# Altium PCB pcbfinal.PcbDoc
Units mm, origin at the board's own origin, x right, y up, seen from the top; angles counter-clockwise.
Board outline 228.35 x 168.78 mm, 2 copper layers (Top Layer, Bottom Layer); 108 components, 105 nets, 433 pads, 20 vias.
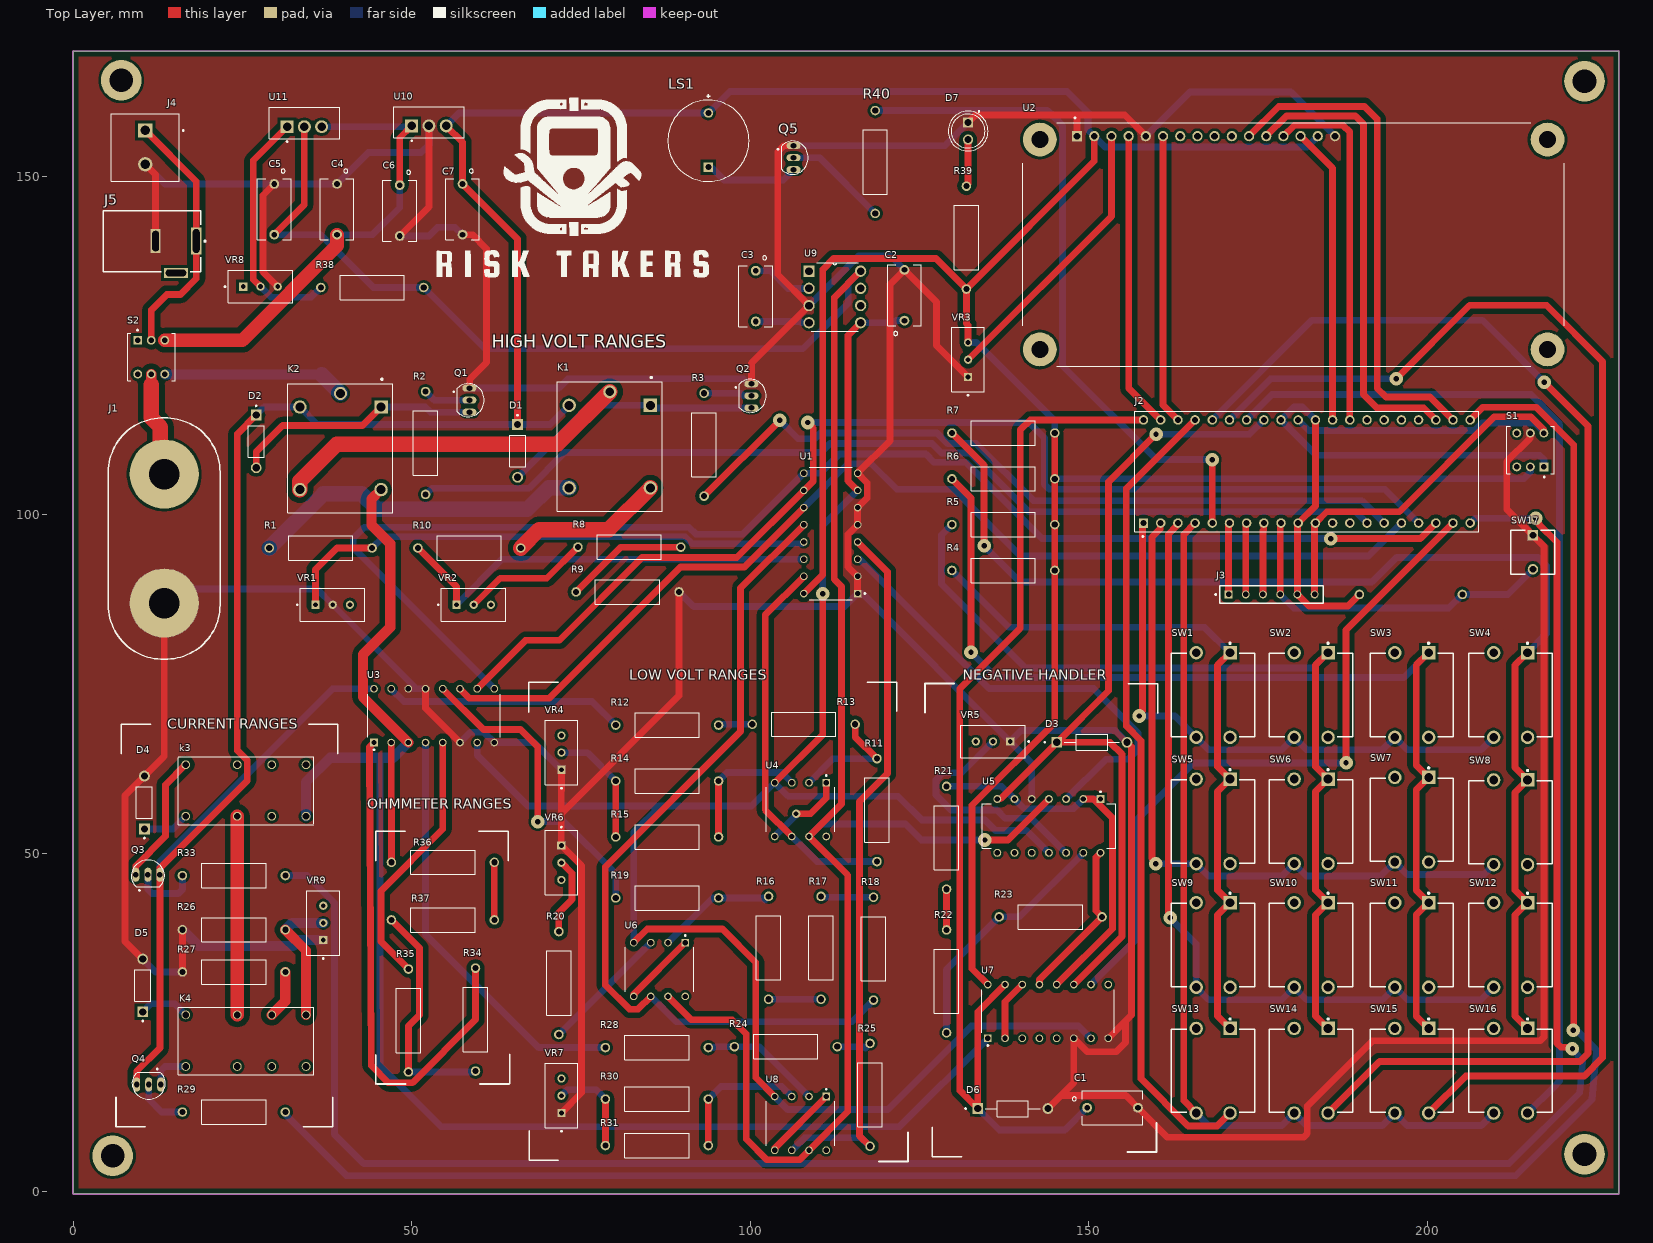
[diagram p0: Top Layer view]
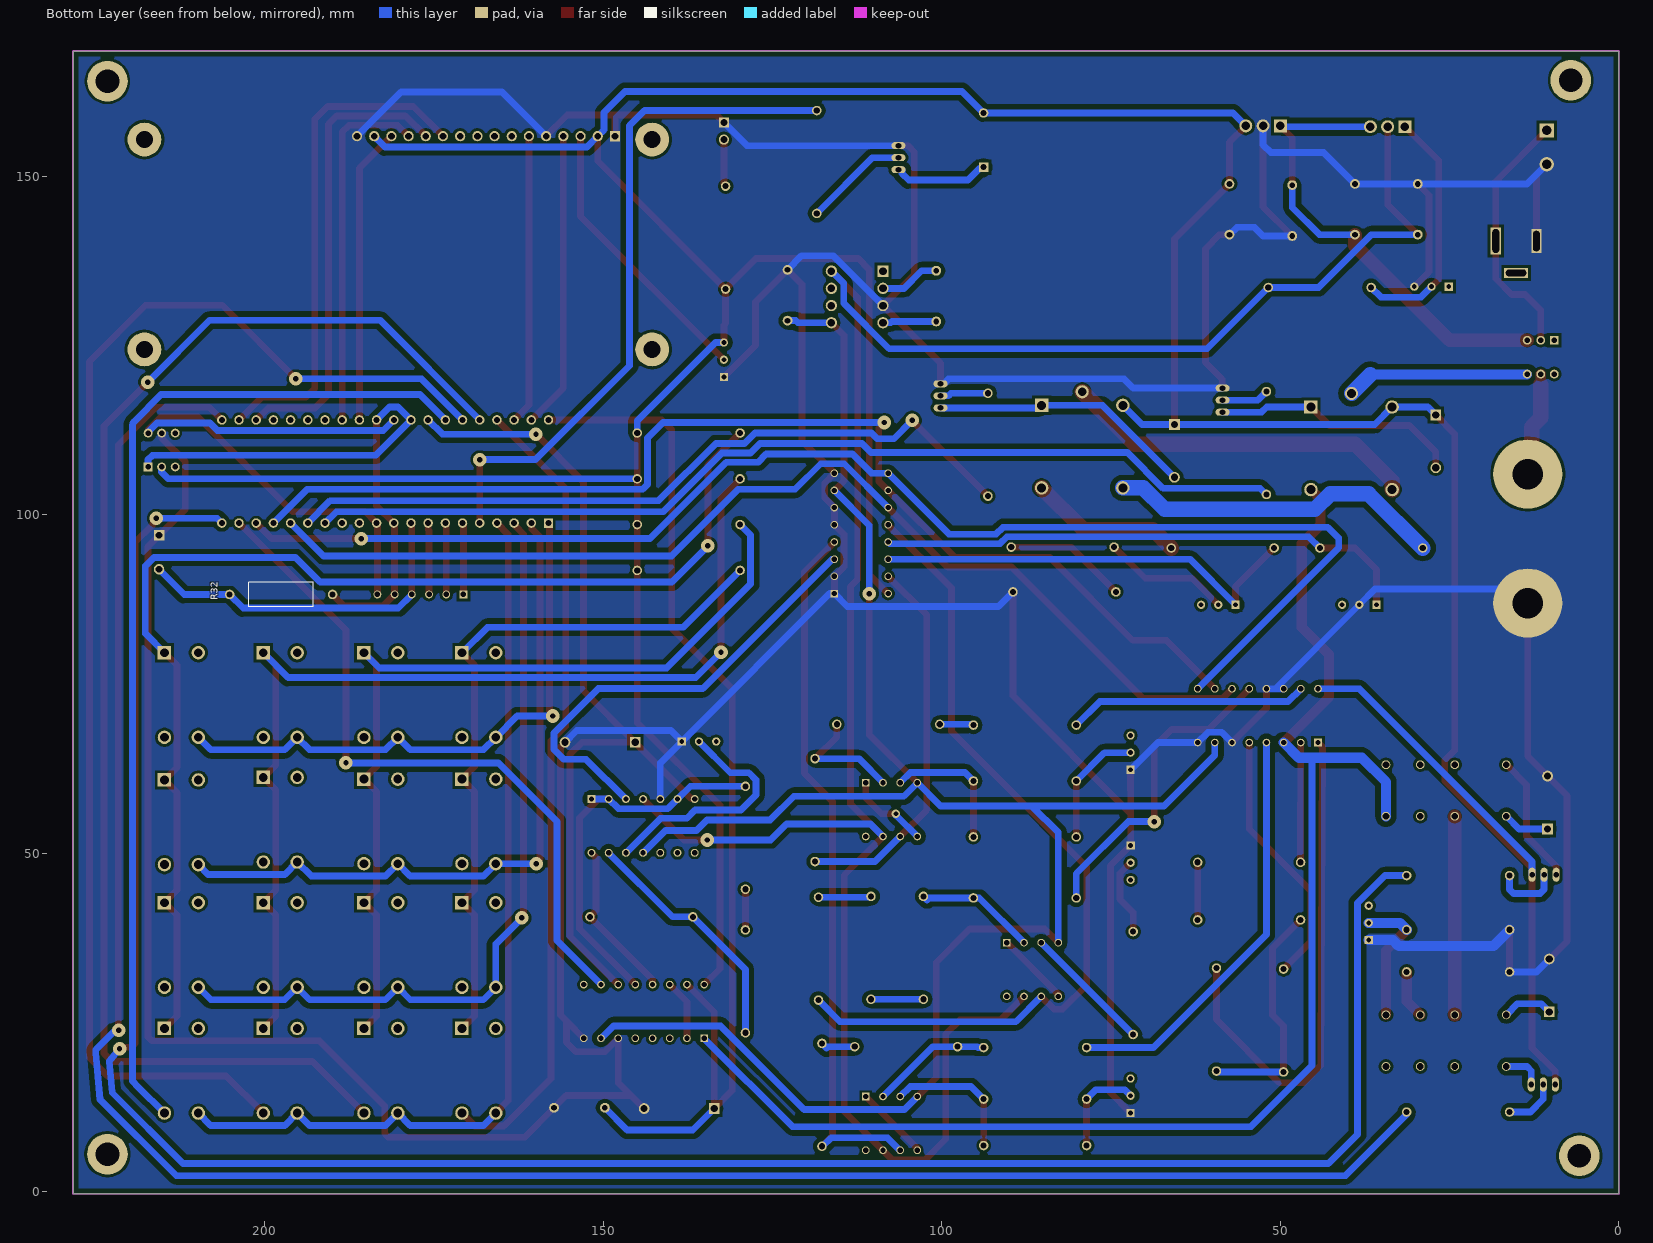
[diagram p1: Bottom Layer view, seen from below]
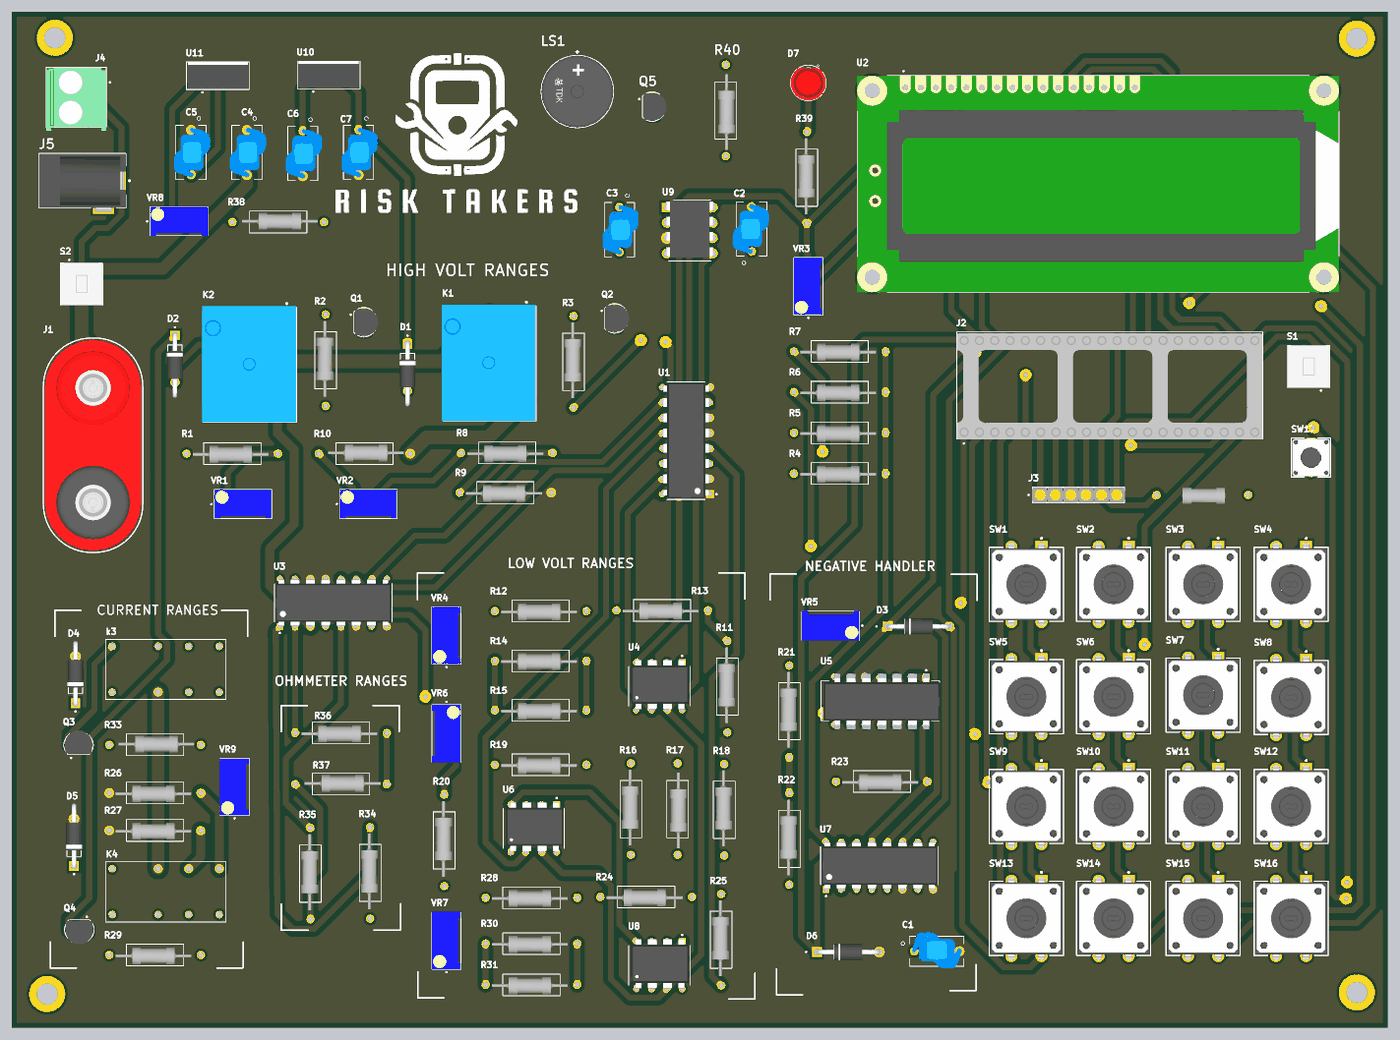
[diagram p2: 3D render of the assembled board from above, using the file's embedded part models]

## Layer stack, top to bottom
Top Solder: solder mask 0.0102, Solder Resist, Dk 3.5
Top Layer: signal copper 0.0356
Dielectric 1: dielectric 0.32, FR-4, Dk 4.8
Bottom Layer: signal copper 0.0356
Bottom Solder: solder mask 0.0102, Solder Resist, Dk 3.5

## Board outline
0,-0.254 228.346,-0.254 228.346,168.529 0,168.529

## Design rules (kind name [scope] priority, off if disabled: settings)
Clearance [All] p1: gap=0.4 ignorepadtopadclearanceinfootprint=FALSE except(0.2: Arc-THPad Track-THPad; 0.8: Arc-Fill Arc-Poly Arc-Region Track-Fill Track-Poly Track-Region)
HoleSize [All] p1: absolutevalues=TRUE maxlimit=5 minlimit=0.025 maxpercent=80.000 minpercent=20.000
MinimumSolderMaskSliver [All] p1: minsoldermaskwidth=0.1
PolygonConnect [All] p1: thpad.connectstyle=Direct thpad.reliefconductorwidth=0.254 thpad.reliefentries=4 thpad.polygonreliefangle="90 Angle" thpad.airgapwidth=0.254 smdpad.connectstyle=Relief smdpad.reliefconductorwidth=0.254 smdpad.reliefentries=4 smdpad.polygonreliefangle="45 Angle" smdpad.airgapwidth=0.254 via.connectstyle=Direct via.reliefconductorwidth=0.254 via.reliefentries=4 via.polygonreliefangle="90 Angle" via.airgapwidth=0.254
RoutingVias [All] p1: holewidth=0.8 width=2 viastyle="Through Hole" minholewidth=0.6 minwidth=1.4 maxholewidth=1.27 maxwidth=3.81
SilkToSolderMaskClearance [IsPad] p1: minsilkscreentomaskgap=0 clearancetoexposedcopper=TRUE
SolderMaskExpansion [All] p1: expansion=0.1 istentingtop=FALSE
Width Width_4 [InNetClass('power')] p1: maxlimit=4 minlimit=1 preferedwidth=2.286 minimp=50.000000 maximp=50.000000 favimp=50.000000
Width [All] p2: maxlimit=2 minlimit=1 preferedwidth=1 minimp=50.000000 maximp=50.000000 favimp=50.000000
27 further rules are at their usual default settings.

## Classes and differential pairs
net class power: JACK NetK1_COM PJackC V3IN V4IN

## Components (designator, comment, footprint, x,y, rotation, side; value= is the part's Value field where it differs from the comment)
C1 "DE2E3KY332MA3BM02F" CAPRR750W60L900T500H900B 153.543,12.446 r0 top
C2 "DE2E3KY332MA3BM02F" CAPRR750W60L900T500H900B 122.809,132.461 r90 top
C3 "DE2E3KY332MA3BM02F" CAPRR750W60L900T500H900B 100.838,132.334 r270 top
C4 "DE2E3KY332MA3BM02F" CAPRR750W60L900T500H900B 38.989,145.161 r270 top
C5 "DE2E3KY332MA3BM02F" CAPRR750W60L900T500H900B 29.718,145.161 r270 top
C6 "DE2E3KY332MA3BM02F" CAPRR750W60L900T500H900B 48.26,144.967 r270 top
C7 "DE2E3KY332MA3BM02F" CAPRR750W60L900T500H900B 57.531,145.161 r270 top
D1 "1N4007-T" DIOAD780W78L463D236 65.659,109.474 r270 top
D2 "1N4007-T" DIOAD780W78L463D236 27.051,110.871 r270 top
D3 "1N4733A" DIOAD1036W78L463D272 150.495,66.421 r0 top
D4 "1N4007-T" DIOAD780W78L463D236 10.541,57.531 r90 top
D5 "1N4007-T" DIOAD780W78L463D236 10.287,30.512 r90 top
D6 "1N4733A" DIOAD1036W78L463D272 138.811,12.319 r0 top
D7 "WP7113ID" LED_WP7113ID 132.207,156.718 r270 top
J1 "2269-2" ? 13.462,96.52 r270 top
J2 "" TE_3-1571552-2 180.975,106.426 r90 top
J3 "TS-106-G-A-1" SAMTEC_TS-106-G-A-1 177.038,88.265 r0 top
J4 "282856-2" TE_282856-2 10.668,154.305 r270 top
J5 "PJ-002A" CUI-PJ-002A_V 15.192,140.462 r180 top
K1 "SRD-05VDC-SL-C" RELAY_SRD-05VDC-SL-C 79.279,110.105 r270 top
K2 "SRD-05VDC-SL-C" RELAY_SRD-05VDC-SL-C 39.497,109.855 r270 top
k3 "RELAY-HLS-14F3L-DC12V-C(8P-29.2X12.4MM)" "RELAY (HLS-4078-DC5V)" 34.417,63.119 r180 top
K4 "RELAY-HLS-14F3L-DC12V-C(8P-29.2X12.4MM)" "RELAY (HLS-4078-DC5V)" 34.417,26.162 r180 top
LS1 "SD1209T5-A1" FP-SD1209-MFG 93.853,151.384 r90 top
Q1 "2N3904" TO92127P495H495-3 58.547,116.967 r270 top
Q2 "2N3904" TO92127P495H495-3 100.203,117.602 r270 top
Q3 "2N3904" TO92127P495H495-3 11.049,46.863 r0 top
Q4 "2N3904" TO92127P495H495-3 11.176,15.875 r180 top
Q5 "2N3904" TO92127P495H495-3 106.426,152.781 r270 top
R1 "MFR-25DRE52-82R" RESAD1520W70L1030D380 36.576,95.123 r0 top
R2 "MFR-25DRE52-82R" RESAD1520W70L1030D380 52.07,110.637 r270 top
R3 "MFR-25DRE52-82R" RESAD1520W70L1030D380 93.218,110.383 r270 top
R4 "-" RESAD1520W70L1030D380 137.414,91.821 r0 top
R5 "" RESAD1520W70L1030D380 137.414,98.584 r0 top
R6 "" RESAD1520W70L1030D380 137.414,105.346 r0 top
R7 "" RESAD1520W70L1030D380 137.414,112.109 r0 top
R8 "MFR-25DRE52-82R" RESAD1520W70L1030D380 82.169,95.25 r0 top
R9 "MFR-25DRE52-82R" RESAD1520W70L1030D380 81.915,88.646 r0 top
R10 "MFR-25DRE52-82R" RESAD1520W70L1030D380 58.527,95.123 r180 top
R11 "MFR-25DRE52-82R" RESAD1520W70L1030D380 118.745,56.408 r270 top
R12 "MFR-25DRE52-82R" RESAD1520W70L1030D380 87.757,68.961 r0 top
R13 "MFR-25DRE52-82R" RESAD1520W70L1030D380 107.93,69.088 r0 top
R14 "MFR-25DRE52-82R" RESAD1520W70L1030D380 87.757,60.706 r0 top
R15 "MFR-25DRE52-82R" RESAD1520W70L1030D380 87.757,52.451 r0 top
R16 "MFR-25DRE52-82R" RESAD1520W70L1030D380 102.743,36.068 r270 top
R17 "MFR-25DRE52-82R" RESAD1520W70L1030D380 110.49,36.068 r90 top
R18 "MFR-25DRE52-82R" RESAD1520W70L1030D380 118.237,35.941 r270 top
R19 "MFR-25DRE52-82R" RESAD1520W70L1030D380 87.757,43.434 r0 top
R20 "MFR-25DRE52-82R" RESAD1520W70L1030D380 71.755,30.861 r270 top
R21 "MFR-25DRE52-82R" RESAD1520W70L1030D380 129.032,52.324 r270 top
R22 "MFR-25DRE52-82R" RESAD1520W70L1030D380 129.032,31.115 r270 top
R23 "MFR-25DRE52-82R" RESAD1520W70L1030D380 144.399,40.64 r0 top
R24 "MFR-25DRE52-82R" RESAD1520W70L1030D380 105.283,21.463 r0 top
R25 "MFR-25DRE52-82R" RESAD1520W70L1030D380 117.729,14.351 r270 top
R26 "MFR-25DRE52-82R" RESAD1520W70L1030D380 23.749,38.735 r0 top
R27 "MFR-25DRE52-82R" RESAD1520W70L1030D380 23.749,32.512 r0 top
R28 "MFR-25DRE52-82R" RESAD1520W70L1030D380 86.233,21.336 r0 top
R29 "MFR-25DRE52-82R" RESAD1520W70L1030D380 23.749,11.811 r0 top
R30 "MFR-25DRE52-82R" RESAD1520W70L1030D380 86.233,13.716 r0 top
R31 "MFR-25DRE52-82R" RESAD1520W70L1030D380 86.233,6.858 r0 top
R32 "MFR-25DRE52-82R" RESAD1520W70L1030D380 197.612,88.265 r180 bottom
R33 "MFR-25DRE52-82R" RESAD1520W70L1030D380 23.749,46.736 r180 top
R34 "MFR-25DRE52-82R" RESAD1520W70L1030D380 59.448,25.46 r270 top
R35 "MFR-25DRE52-82R" RESAD1520W70L1030D380 49.542,25.333 r270 top
R36 "MFR-25DRE52-82R" RESAD1520W70L1030D380 54.622,48.701 r0 top
R37 "MFR-25DRE52-82R" RESAD1520W70L1030D380 54.622,40.192 r180 top
R38 "MFR-25DRE52-82R" RESAD1520W70L1030D380 44.196,133.604 r180 top
R39 "MFR-25DRE52-82R" RESAD1520W70L1030D380 131.953,140.97 r270 top
R40 "MFR-25DRE52-82R" RESAD1520W70L1030D380 118.491,152.146 r90 top
S1 "TL2230EEF100" SW_TL2230EEF100 215.265,109.601 r180 top
S2 "TL2230EEF100" SW_TL2230EEF100 11.557,123.317 r0 top
SW1 "FSM102" FP-FSM102-MFG 168.402,73.406 r90 top
SW2 "FSM102" FP-FSM102-MFG 182.88,73.406 r90 top
SW3 "FSM102" FP-FSM102-MFG 197.739,73.406 r90 top
SW4 "FSM102" FP-FSM102-MFG 212.344,73.406 r90 top
SW5 "FSM102" FP-FSM102-MFG 168.402,54.737 r90 top
SW6 "FSM102" FP-FSM102-MFG 182.88,54.737 r90 top
SW7 "FSM102" FP-FSM102-MFG 197.739,54.991 r90 top
SW8 "FSM102" FP-FSM102-MFG 212.344,54.61 r90 top
SW9 "FSM102" FP-FSM102-MFG 168.402,36.491 r90 top
SW10 "FSM102" FP-FSM102-MFG 182.88,36.491 r90 top
SW11 "FSM102" FP-FSM102-MFG 197.739,36.491 r90 top
SW12 "FSM102" FP-FSM102-MFG 212.344,36.491 r90 top
SW13 "FSM102" FP-FSM102-MFG 168.402,17.907 r90 top
SW14 "FSM102" FP-FSM102-MFG 182.88,17.907 r90 top
SW15 "FSM102" FP-FSM102-MFG 197.739,17.907 r90 top
SW16 "FSM102" FP-FSM102-MFG 212.344,17.907 r90 top
SW17 "FSM4JRT" FP-FSM4JRT-MFG 215.646,94.488 r270 top
U1 "CD4051BE" "DIP794W45P254L1969H508Q16 - DUPLICATE" 111.92,97.282 r180 top
U2 "LCD2X16" LCD_LCD2X16 180.305,139.96 r0 top
U3 "CD4051BE" "DIP794W45P254L1969H508Q16 - DUPLICATE" 53.34,70.358 r90 top
U4 "LM741CN/NOPB" DIP794W45P254L1016H508Q8 107.442,56.482 r270 top
U5 "LM348N" DIP14 144.145,54.069 r270 top
U6 "LM741CN/NOPB" DIP794W45P254L1016H508Q8 86.614,32.86 r270 top
U7 "CD4053BE" "DIP794W45P254L1969H508Q16 - DUPLICATE" 144.018,26.67 r90 top
U8 "LM741CN/NOPB" DIP794W45P254L1016H508Q8 107.442,10.127 r270 top
U9 "ICL7660SCPAZ" DIP254P762X533-8 116.332,128.397 r0 top
U10 "L7805CV" TO255P1040X460X1968-3 50.018,157.48 r0 top
U11 "L7805CV" TO255P1040X460X1968-3 31.613,157.353 r0 top
VR1 "3296W1103LF" TRIM_3296W1103LF 38.354,86.741 r0 top
VR2 "3296W1103LF" TRIM_3296W1103LF 59.182,86.741 r0 top
VR3 "3296W1103LF" TRIM_3296W1103LF 132.207,122.936 r90 top
VR4 "3296W1103LF" TRIM_3296W1103LF 72.136,64.897 r90 top
VR5 "3296W1103LF" TRIM_3296W1103LF 135.89,66.548 r180 top
VR6 "3296W1103LF" TRIM_3296W1103LF 72.126,48.641 r270 top
VR7 "3296W1103LF" TRIM_3296W1103LF 72.136,14.224 r90 top
VR8 "3296W1103LF" TRIM_3296W1103LF 27.686,133.731 r0 top
VR9 "3296W1103LF" TRIM_3296W1103LF 36.957,39.751 r90 top

## Footprints (in the part's own frame and the unit in brackets; to place one, negate y for a bottom-side part, rotate by r counter-clockwise, add the part's x,y. Pads: shape width x height; smd on the part's side, far side on the other; paste and mask are expansions set on the pad)
CAPRR750W60L900T500H900B [mm]
  round 1.45 hole 0.85: 1(-3.75,0) 2(3.75,0)
  silkscreen extent -5.95,-2.5 4.5,2.5, body extent -4.08,-2.82 4.08,3.17, height 12
CUI-PJ-002A_V [mm] "THD, 3-Leads, Body 14.4x9mm, Height 11mm"
  rect 1.5x4 hole 1 slot 3.5 at 90 deg: 1(-3,0)
  rect 1.5x3.5 hole 1 slot 3 at 90 deg: 2(3,0)
  rect 3.5x1.5 hole 1 slot 3 at 0 deg: 3(0,4.7)
  silkscreen extent -4.43,-4.5 10.7,4.5, body extent -3.7,-4.5 10.7,4.9, height 11
DIOAD780W78L463D236 [mm]
  round 1.59 hole 1.06: A(3.904,0)
  rect 1.59x1.59 / inner round 1.59 / far side rect 1.59x1.59 hole 1.06: K(-3.904,0)
  silkscreen extent -5.35,-1.18 2.32,1.18, body extent -4.46,-1.35 6.49,1.35, height 2.69
DIOAD1036W78L463D272 [mm]
  rect 1.59x1.59 / inner round 1.59 / far side rect 1.59x1.59 hole 1.06: 1(-5.18,0)
  round 1.59 hole 1.06: 2(5.18,0)
  silkscreen extent -7.07,-1.19 4.07,1.19, body extent -5.29,-1.36 5.29,1.36, height 2.72
DIP14 [mm]
  rect 1.17x1.17 hole 0.77: 1(-3.97,7.62)
  round 1.17 hole 0.77: 2(-3.97,5.08) 3(-3.97,2.54) 4(-3.97,0) 5(-3.97,-2.54) 6(-3.97,-5.08) 7(-3.97,-7.62) 8(3.97,-7.62) 9(3.97,-5.08) 10(3.97,-2.54) 11(3.97,0) 12(3.97,2.54) 13(3.97,5.08) 14(3.97,7.62)
  silkscreen extent -5.15,-9.84 3.3,9.84, body extent -5.33,-9.4 5.59,9.91, height 5.08
DIP254P762X533-8 [mil]
  rect 66x66 / inner round 66 / far side rect 66x66 hole 44: 1(-300,300)
  round 66 hole 44: 2(-300,200) 3(-300,100) 4(-300,0) 5(0,0) 6(0,100) 7(0,200) 8(0,300)
  silkscreen extent -287,-50 -13,350, body extent -306,-29 5,349, height 210
DIP794W45P254L1016H508Q8 [mm]
  rect 1.13x1.13 hole 0.78: 1(-3.97,3.81)
  round 1.13 hole 0.78: 2(-3.97,1.27) 3(-3.97,-1.27) 4(-3.97,-3.81) 5(3.97,-3.81) 6(3.97,-1.27) 7(3.97,1.27) 8(3.97,3.81)
  silkscreen extent -5.13,-5.08 3.3,5.08, body extent -4.35,-4.67 3.84,4.92, height 5.08
"DIP794W45P254L1969H508Q16 - DUPLICATE" [mm]
  rect 1.13x1.13 / inner round 1.13 / far side rect 1.13x1.13 hole 0.78: 1(-3.97,8.89)
  round 1.13 hole 0.78: 2(-3.97,6.35) 3(-3.97,3.81) 4(-3.97,1.27) 5(-3.97,-1.27) 6(-3.97,-3.81) 7(-3.97,-6.35) 8(-3.97,-8.89) 9(3.97,-8.89) 10(3.97,-6.35) 11(3.97,-3.81) 12(3.97,-1.27) 13(3.97,1.27) 14(3.97,3.81) 15(3.97,6.35) 16(3.97,8.89)
  silkscreen extent -5.13,-9.77 3.18,9.77, body extent -3.85,-9.65 3.85,9.65, height 5.08
FP-FSM4JRT-MFG [mil]
  rect 60.65x60.65 hole 39 paste-99999 mask+0: 1(-98.5,0)
  round 60.65 hole 39 paste-99999 mask+0: 2(98.5,0)
  silkscreen extent -128,-128 128,128, body extent -133,-132 133,132, height 10
FP-FSM102-MFG [mm]
  rect 1.99x1.99 hole 1.29 paste-2539.97 mask+0: 1(6.25,-2.5)
  round 1.99 hole 1.29 paste-2539.97 mask+0: 2(-6.25,-2.5) 3(6.25,2.5) 4(-6.25,2.5)
  silkscreen extent -6.15,-6.15 7.77,6.15, body extent -7.34,-6.25 7.34,6.25, height 0.25
FP-SD1209-MFG [mm]
  rect 1.4x1.4 hole 0.9 paste-1000 mask+0: 1(0,0)
  round 1.4 hole 0.9 paste-1000 mask+0: 2(8,0)
  silkscreen extent -2.1,-6 10.75,6, body extent -2.2,-6.1 10,6.1, height 0.25
LCD_LCD2X16 [mm]
  rect 1.508x1.508 hole 1: 1(-32,16)
  round 1.508 hole 1: 2(-29.46,16) 3(-26.92,16) 4(-24.38,16) 5(-21.84,16) 6(-19.3,16) 7(-16.76,16) 8(-14.22,16) 9(-11.68,16) 10(-9.14,16) 11(-6.6,16) 12(-4.06,16) 13(-1.52,16) 14(1.02,16) 15(3.56,16) 16(6.1,16)
  round 5 hole 2.5: S1(-37.5,15.5) S2(37.5,15.5) S3(37.5,-15.5) S4(-37.5,-15.5)
  silkscreen extent -40,-18 40,18.8, body extent -40,-18.03 40,17.97, height 7
LED_WP7113ID [mm]
  round 1.508 hole 1: A(1.27,0)
  rect 1.508x1.508 / inner round 1.508 / far side rect 1.508x1.508 hole 1: C(-1.27,0)
  silkscreen extent -3.03,-2.95 2.95,2.95, body extent -2.5,-2.95 2.95,2.95, height 9.6
"RELAY (HLS-4078-DC5V)" [mm]
  round 1.3 hole 1: 1(0,0) 2(5.08,0) 3(10.16,0) 4(17.78,0) 5(17.78,7.62) 6(10.16,7.62) 7(5.08,7.62) 8(0,7.62)
  silkscreen extent -1.13,-1.14 18.9,8.85, body extent -1.11,-1.13 18.84,8.8, height 10
RELAY_SRD-05VDC-SL-C [mm]
  rect 1.98x1.98 / inner round 1.98 / far side rect 1.98x1.98 hole 1.32: A1(-6.1,6)
  round 1.98 hole 1.32: A2(-6.1,-6) NC(6.1,6) NO(6.1,-6)
  round 1.935 hole 1.29: COM(-8.1,0)
  silkscreen extent -10.3,-7.75 9.55,7.75, body extent -9.73,-7.93 9.47,7.67, height 15.8
RESAD1520W70L1030D380 [mm]
  round 1.408 hole 0.9: 1(-7.6,0) 2(7.6,0)
  silkscreen extent -4.75,-1.8 4.75,1.8, body extent -6.55,-1.53 6.05,1.27, height 1.4
SAMTEC_TS-106-G-A-1 [mil]
  rect 45.78x45.78 / inner round 45.78 / far side rect 45.78x45.78 hole 32: 01(-250,0)
  round 45.78 hole 32: 02(-150,0) 03(-50,0) 04(50,0) 05(150,0) 06(250,0)
  silkscreen extent -330,-50 300,50, body extent -304,-50 304,50, height 326
SW_TL2230EEF100 [mm]
  rect 1.308x1.308 hole 0.8: 1(-2,2.5)
  round 1.308 hole 0.8: 2(0,2.5) 3(2,2.5) 4(-2,-2.5) 5(0,-2.5) 6(2,-2.5)
  silkscreen extent -3.5,-3.5 3.5,4.1, body extent -3.5,-3.5 3.5,3.5, height 12.5
TE_3-1571552-2 [mil]
  rect 55x55 hole 35: 1(-300,900)
  round 55 hole 35: 2(-300,800) 3(-300,700) 4(-300,600) 5(-300,500) 6(-300,400) 7(-300,300) 8(-300,200) 9(-300,100) 10(-300,0) 11(-300,-100) 12(-300,-200) 13(-300,-300) 14(-300,-400) 15(-300,-500) 16(-300,-600) 17(-300,-700) 18(-300,-800) 19(-300,-900) 20(-300,-1000) 21(300,-1000) 22(300,-900) 23(300,-800) 24(300,-700) 25(300,-600) 26(300,-500) 27(300,-400) 28(300,-300) 29(300,-200) 30(300,-100) 31(300,0) 32(300,100) 33(300,200) 34(300,300) 35(300,400) 36(300,500) 37(300,600) 38(300,700) 39(300,800) 40(300,900)
  silkscreen extent -382,-1050 350,950, body extent -353,-1046 343,950, height 170
TE_282856-2 [mm]
  rect 2.1x2.1 / inner round 2.1 / far side rect 2.1x2.1 hole 1.4: 1(-2.5,0)
  round 2.1 hole 1.4: 2(2.5,0)
  silkscreen extent -5,-5 5,5.7, body extent -5,-5 5.5,5, height 19
TO255P1040X460X1968-3 [mm]
  rect 1.91x1.91 / inner round 1.91 / far side rect 1.91x1.91 hole 1.27: 1(0,0)
  round 1.91 hole 1.27: 2(2.55,0) 3(5.1,0)
  silkscreen extent -2.65,-2.29 7.75,2.86, body extent -2.44,-1.52 7.52,2.92, height 19.68
TO92127P495H495-3 [mm]